# Altium PCB PCB_CAR.PcbDoc (part 1 of 3) (continued)
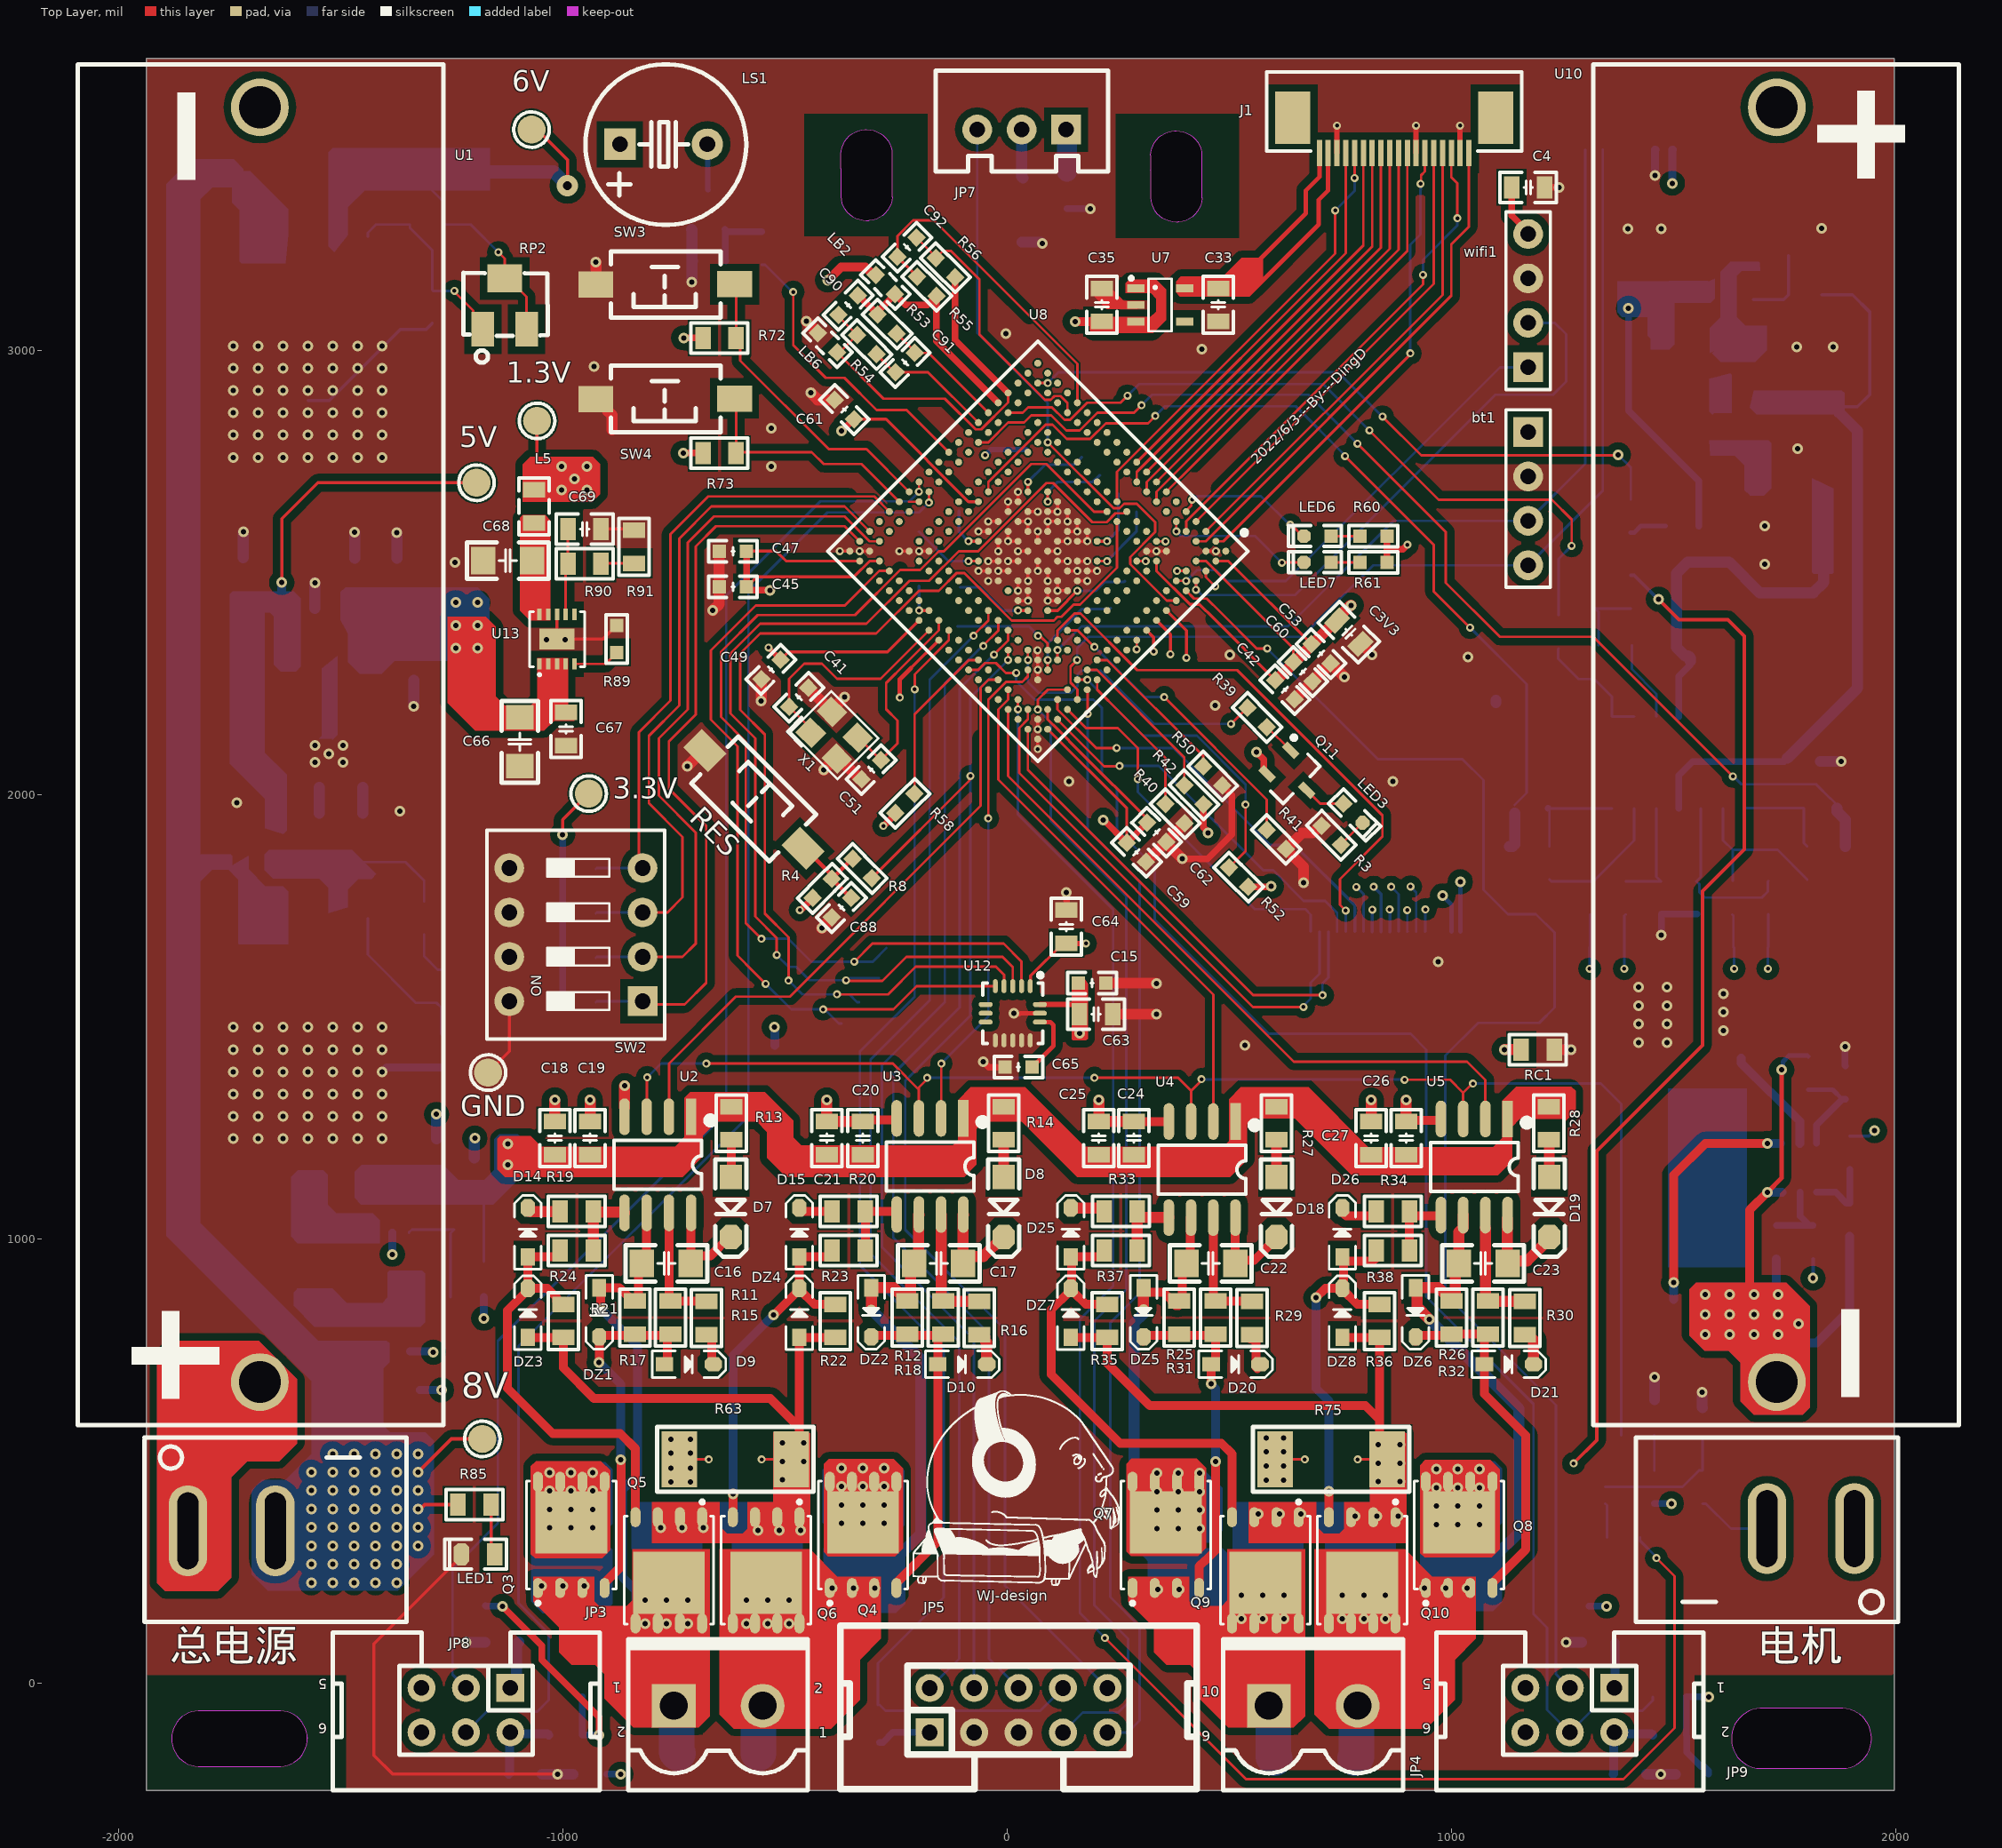
[diagram p0: Top Layer view]
## Footprints (in the part's own frame and the unit in brackets; to place one, negate y for a bottom-side part, rotate by r counter-clockwise, add the part's x,y. Pads: shape width x height; smd on the part's side, far side on the other; paste and mask are expansions set on the pad) (continued)
  silkscreen extent -9.22,-8.5 8.5,8.5, body extent -8.52,-8.52 8.48,8.48, height 1.71
"C 0603_L" [mil] "无极性贴片电容"
  rect 30x30 smd: 1(-30.59,0) 2(30.59,0)
  silkscreen extent -55,-24 55,24, body extent -31,-16 31,16, height 32
"C 0805_L" [mil] "无极性贴片电容"
  rect 35x50 smd: 1(-37.4,0) 2(37.4,0)
  silkscreen extent -64,-34 64,34, body extent -39,-24 39,24, height 20
"C 1206_L" [mil] "无极性贴片电容"
  rect 55x62 smd: 1(-55.12,0) 2(55.12,0)
  silkscreen extent -92,-41 92,41, body extent -63,-32 63,32, height 48
"C 1210_L" [mil] "无极性贴片电容"
  rect 60x100 smd: 1(-57.09,0) 2(57.09,0)
  silkscreen extent -97,-60 97,60, body extent -63,-51 63,51, height 60
"CSW DIP-4P" [mm] "11.7*9.9*7mm"
  rect 1.7x1.7 hole 0.9: 1(-3.81,-3.81)
  round 1.7 hole 0.9: 2(-1.27,-3.81) 3(1.27,-3.81) 4(3.81,-3.81) 5(3.81,3.81) 6(1.27,3.81) 7(-1.27,3.81) 8(-3.81,3.81)
  silkscreen extent -5.97,-5.08 5.97,5.08, body extent -5.86,-4.95 5.86,4.95, height 6.65
DD-PAK-5-leda [mm]
  rect 3x1.1 smd: 1(7.381,-3.234) 2(7.381,-1.534) 3(7.381,0.166) 4(7.381,1.866) 5(7.381,3.566)
  rect 8.255x10.668 smd: 6(-1.968,0.166)
  silkscreen extent -4.52,-5.33 7.66,5.67
"FB 0603_L" [mil] "小功率贴片磁珠"
  rect 30x30 smd: 1(-30.59,0) 2(30.59,0)
  silkscreen extent -55,-24 55,24, body extent -31,-16 32,16, height 31
"FB 0805_L" [mil] "小功率贴片磁珠"
  rect 35x50 smd: 1(-37.4,0) 2(37.4,0)
  silkscreen extent -64,-34 64,34, body extent -39,-24 39,24, height 35
FPC-05mm-18 [mm]
  rect 2x3 smd: 0(-5.606,-0.579) 0(5.992,-0.579)
  rect 0.305x1.5 smd: 1(4.468,-2.579) 2(3.965,-2.579) 3(3.462,-2.579) 4(2.959,-2.579) 5(2.456,-2.579) 6(1.953,-2.579) 7(1.45,-2.579) 8(0.947,-2.579) 9(0.444,-2.579) 10(-0.059,-2.579) 11(-0.561,-2.579) 12(-1.064,-2.579) 13(-1.567,-2.579) 14(-2.07,-2.579) 15(-2.573,-2.579) 16(-3.076,-2.579) 17(-3.579,-2.579) 18(-4.082,-2.579)
  silkscreen extent -7.11,-2.48 7.49,2.04, body extent -7.02,-2.68 7.41,2.43, height 2.01
HDR2.54-LI-4P [mm] "排针，4脚"
  rect 1.7x1.7 hole 0.9: 1(-3.81,0)
  round 1.7 hole 0.9: 2(-1.27,0) 3(1.27,0) 4(3.81,0)
  silkscreen extent -5.08,-1.27 5.08,1.27, body extent -5.08,-1.27 5.08,1.27, height 8.5
IDC2.54-LI-2x3P [mm] "6P简易牛角座"
  rect 1.6x1.6 hole 0.9: 1(0,0)
  round 1.6 hole 0.9: 2(0,2.54) 3(2.54,0) 4(2.54,2.54) 5(5.08,0) 6(5.08,2.54)
  silkscreen extent -5.11,-3.18 10.16,5.84, body extent -5.08,-3.08 10.16,5.77, height 9.17
IDC2.54-LI-2x5P [mm] "10P简易牛角座"
  rect 1.6x1.6 hole 0.9: 1(0,0)
  round 1.6 hole 0.9: 2(0,2.54) 3(2.54,0) 4(2.54,2.54) 5(5.08,0) 6(5.08,2.54) 7(7.62,0) 8(7.62,2.54) 9(10.16,0) 10(10.16,2.54)
  silkscreen extent -5.11,-3.23 15.27,6.1, body extent -5.08,-3.08 15.24,5.77, height 9.17
KEY-TH_CN-KCD11 [mm]
  oval 2.2x5.2 hole 1.2 slot 4.4 at 90 deg: 1(-3.476,0) 2(1.524,0)
  silkscreen extent -5.97,-5.21 9.02,5.33
KF2EDGK5.08-LI-2P [mm] "立插端子"
  rect 2.5x2.5 hole 1.6: 1(-2.54,0)
  round 2.5 hole 1.6: 2(2.54,0)
  silkscreen extent -5.16,-4.83 5.13,3.81, body extent -5.08,-4.75 5.08,3.75, height 11.25
"L 0805_L" [mil] "小功率贴片电感"
  rect 35x50 smd: 1(-37.4,0) 2(37.4,0)
  silkscreen extent -64,-34 64,34, body extent -39,-24 39,24, height 35
L-SMD-0420 [mm] "一体化成型电感"
  rect 1.5x2.5 smd: 1(-1.75,0) 2(1.75,0)
  silkscreen extent -2.16,-2.16 2.16,2.16, body extent -2.25,-2.05 2.25,2.05, height 2.05
"LED 0603Y" [mil] "黄色0603LED"
  rect 30x30 smd: 1(-30.59,0)
  oct 30x30 smd: 2(30.59,0)
  silkscreen extent -54,-24 65,24, body extent -31,-16 31,16, height 24
"LED 0805B" [mil] "蓝色0805LED"
  rect 35x50 smd: 1(-37.4,-0.01)
  oct 35x50 smd: 2(37.4,-0.01)
  silkscreen extent -64,-33 75,33, body extent -39,-25 39,25, height 32
LGA-16_L3.0-W3.0-P0.50-BL [mm]
  oval 0.28x0.8 smd: 1(-0.986,-1.739) 2(-0.486,-1.739) 3(0.014,-1.739) 4(0.514,-1.739) 5(1.014,-1.739) 9(1.014,1.36) 10(0.514,1.36) 11(0.014,1.36) 12(-0.486,1.36) 13(-0.986,1.36)
  oval 0.8x0.28 smd: 6(1.564,-0.689) 7(1.564,-0.189) 8(1.564,0.311) 14(-1.536,0.311) 15(-1.536,-0.189) 16(-1.536,-0.689)
  silkscreen extent -1.71,-2.49 1.74,1.54
LT3045EDD#PBF [mm]
  rect 0.65x0.25 smd: 1(1.422,-0.941) 2(1.422,-0.441) 3(1.422,0.059) 4(1.422,0.559) 5(1.422,1.059) 6(-1.401,1.059) 7(-1.401,0.559) 8(-1.401,0.059) 9(-1.401,-0.441) 10(-1.401,-0.941)
  rect 1.2x2 smd: 11(0.011,0.059)
  silkscreen extent -1.57,-1.52 2.11,1.64
"OSC 3225-4P" [mm] "3.2*2.5*0.7mm(长宽高)"
  rect 1.3x1.2 smd: 1(-1.05,-0.85) 2(1.05,-0.85) 3(1.05,0.85) 4(-1.05,0.85)
  silkscreen extent -2.03,-1.75 1.9,1.65, body extent -1.6,-1.25 1.6,1.25, height 0.7
PQFN-8P_L5.8-W4.9-P1.27-LS6.0-BL [mm]
  oval 0.567x1.141 smd: 1(-1.897,-3.761) 2(-0.627,-3.761) 3(0.643,-3.761) 4(1.913,-3.761) 5(1.913,2.315) 6(0.643,2.315) 7(-0.627,2.315) 8(-1.897,2.315)
  rect 4.11x3.55 smd: 9(0.008,-0.008)
  silkscreen extent -2.56,-4.73 2.57,2.37
"R 0603_L" [mil] "1/10W贴片电阻"
  rect 30x30 smd: 1(-30.59,0) 2(30.59,0)
  silkscreen extent -55,-24 55,24, body extent -31,-16 32,16, height 16
"R 0805_L" [mil] "1/8W贴片电阻"
  rect 35x50 smd: 1(-37.4,0) 2(37.4,0)
  silkscreen extent -64,-34 64,34, body extent -39,-25 39,25, height 20
"R 2512_M" [mm] "1W贴片电阻"
  rect 2.032x3.2 smd: 1(-3.2,0) 2(3.2,0)
  silkscreen extent -4.47,-1.85 4.47,1.85, body extent -3.2,-1.6 3.2,1.6, height 0.55
RES-ADJ-SMD_3224W [mm]
  rect 1.3x2 smd: 1(-1.267,-1.336) 3(1.233,-1.336)
  rect 2x1.6 smd: 2(-0.017,1.564)
  silkscreen extent -2.38,-3.25 2.45,1.88
SH-SMD_6P-P1.00 [mm]
  rect 0.5x1.7 smd: 1(-2.341,1.983) 2(-1.341,1.983) 3(-0.341,1.983) 4(0.659,1.983) 5(1.659,1.983) 6(2.659,1.983)
  rect 1.2x2.5 smd: 7(3.759,-1.417) 8(-3.441,-1.417)
  silkscreen extent -4.06,-2.51 4.38,2.57
SMA [mm] "4.5x2.6*2.2mm（长宽高，不包括引脚）"
  rect 2.2x1.75 smd: 1(-2.3,0) 2(2.3,0)
  silkscreen extent -2.7,-1.52 3.56,1.52, body extent -2.52,-1.3 2.57,1.3, height 2.15
SOD-123 [mil] "2.7x1.6X1.1mm（长宽高，不包括引脚）"
  rect 55x50 smd: 1(-67.5,0)
  oct 55x50 smd: 2(67.5,0)
  silkscreen extent -108,-35 112,35, body extent -73,-31 73,31, height 48
SOD-123F [mm] "2.7x1.6X1.1mm（长宽高，不包括引脚）"
  rect 1.3x1 smd: 1(-1.85,0)
  oct 1.3x1 smd: 2(1.85,0)
  silkscreen extent -2.79,-0.89 2.84,0.89, body extent -1.9,-0.8 1.9,0.8, height 1.15
SOD-323 [mm] "1.8x1.3X0.9mm（长宽高，不包括引脚）"
  rect 1x0.8 smd: 1(-1.4,0)
  oct 1x0.8 smd: 2(1.4,0)
  silkscreen extent -2.11,-0.76 2.11,0.76, body extent -1.34,-0.63 1.31,0.67, height 1
SOP8_M [mm] "5*6*1.8mm（长宽高）"
  rect 2.1x0.6 smd: 1(-2.75,1.905)
  oval 2.1x0.6 smd: 2(-2.75,0.635) 3(-2.75,-0.635) 4(-2.75,-1.905) 5(2.75,-1.905) 6(2.75,-0.635) 7(2.75,0.635) 8(2.75,1.905)
  silkscreen extent -2.69,-2.5 1.4,3.15, body extent -3,-2.5 3,2.5, height 1.9
SOP14_N [mm] "8.7*6.2*1.8mm（长宽高）"
  rect 1.8x0.55 smd: 1(-2.625,3.81)
  oval 1.8x0.55 smd: 2(-2.625,2.54) 3(-2.625,1.27) 4(-2.625,0) 5(-2.625,-1.27) 6(-2.625,-2.54) 7(-2.625,-3.81) 8(2.625,-3.81) 9(2.625,-2.54) 10(2.625,-1.27) 11(2.625,0) 12(2.625,1.27) 13(2.625,2.54) 14(2.625,3.81)
  silkscreen extent -2.67,-4.06 1.31,5.21, body extent -3,-4.35 3,4.35, height 1.9
SOT23-3L [mm] "3x1.3x1mm(长宽高)"
  rect 0.45x1 smd: 1(-0.95,-1.143) 2(0.95,-1.143) 3(0,1.125)
  silkscreen extent -1.72,-1.65 1.5,0.7, body extent -1.5,-1.2 1.5,1.2, height 1.05
SOT23-5L [mm] "3x1.6x1.1mm(长宽高)"
  rect 0.45x1 smd: 1(-0.95,-1.4) 2(0,-1.4) 3(0.95,-1.4) 4(0.95,1.4) 5(-0.95,1.4)
  silkscreen extent -1.6,-1.73 1.5,0.66, body extent -1.5,-1.4 1.5,1.4, height 1.15
SOT23-6L [mm] "3x1.6x1.1mm(长宽高)"
  rect 0.45x1 smd: 1(-0.95,-1.397) 2(0,-1.397) 3(0.95,-1.397) 4(0.95,1.397) 5(0,1.397) 6(-0.95,1.397)
  silkscreen extent -1.77,-1.78 1.55,0.51, body extent -1.5,-1.4 1.5,1.4, height 1.15
SOT23-6N [mm] "3x1.6x1.1mm(长宽高)"
  rect 0.5x1.2 smd: 1(-0.95,-1.4) 2(0,-1.4) 3(0.95,-1.4) 4(0.95,1.4) 5(0,1.4) 6(-0.95,1.4)
  silkscreen extent -1.78,-1.78 1.55,0.51, body extent -1.5,-1.4 1.5,1.4, height 1.15
SOT223_L [mm] "SOT223, 4-Leads, Body 6.5x3.5mm, Pitch 2.3mm, Lead Span 7mm, IPC High Density"
  rect 2.1x0.9 smd: 1(-2.85,2.3) 2(-2.85,0) 3(-2.85,-2.3)
  rect 2.1x3.2 smd: 4(2.85,0)
  silkscreen extent -2.97,-3.35 1.5,3.42, body extent -1.85,-3.35 1.85,3.35, height 1.7
"TEST 0.8" [mm] "测试点0.8mm"
  round 0.8 smd: 1(0,0)
"TEST 1" [mm] "测试点1mm"
  round 1 smd paste-1: 1(0,0)
"TEST 1.6" [mm] "测试点1.6mm"
  round 1.6 smd paste-1.6: 1(0,0)
  silkscreen extent -1.01,-1.02 1.02,1.02
"TSW SMD-3*6*2.5" [mm] "3*6*2.5mm"
  rect 2x1.5 smd: 1(-3.996,-0.02) 2(3.937,0)
  silkscreen extent -3.21,-1.9 3.09,1.9, body extent -4,-1.88 4,1.62, height 2.59
XH2.54-LI-3P [mm] "接插件，3P"
  rect 1.7x1.7 hole 0.9: 1(-2.54,0)
  round 1.7 hole 0.9: 2(0,0) 3(2.54,0)
  silkscreen extent -4.95,-3.38 4.93,2.39, body extent -5.04,-3.3 5.04,2.4, height 7.03

## Part data
1.3V 3.3V 3.3V 5V 5V 6V 8V ADC CS GND GND GND MISO MOSI SCLK: "测试点", BOM名称=测试点, 学习资源=www.ooocke.com, 版权归属=源创客
bt1 wifi1: library part "Header 4", "4P接插件", BOM名称=4P接插件, 学习资源=www.ooocke.com, 版权归属=源创客
C1 C2 C3 C3V3 C4 C5 C6 C7 C8 C9 C10 C11 C12 C13 C14 C15 C16 C17 C18 C19 C20 C21 C22 C23 C24 C25 C26 C27 C28 C29 C30 C31 C32 C33 C34 C35 C36 C37 C38 C39 C40 C41 C42 C43 C44 C45 C46 C47 C48 C49 C50 C51 C52 C53 C54 C55 C56 C57 C58 C59 C60 C61 C62 C63 C64 C65 C66 C67 C68 C69 C70 C71 C72 C73 C74 C75 C76 C77 C78 C79 C85 C86 C88 C90 C91 C92 C131: library part C, "无极性贴片电容", BOM名称=无极性贴片电容, 学习资源=www.ooocke.com, 材质=X7R, 版权归属=源创客
D1 D2 D3 D5 D6 D8 D12 D13 D16 D17 D18 D19 D23 D24: "肖特基二极管", BOM名称=肖特基二极管, 学习资源=www.ooocke.com, 属性=40V/3A, 版权归属=源创客
D7 D11 D22: library part SS34, "肖特基二极管", BOM名称=肖特基二极管, 学习资源=www.ooocke.com, 属性=40V/3A, 版权归属=源创客
D9 D10 D14 D15 D20 D21 D25 D26: "高速开关二极管", BOM名称=高速开关二极管, 学习资源=www.ooocke.com, 版权归属=源创客
D27 D28: library part SS24, "肖特基二极管", BOM名称=肖特基二极管, 学习资源=www.ooocke.com, 属性=40V/2A, 版权归属=源创客
DZ1 DZ2 DZ3 DZ4 DZ5 DZ6 DZ7 DZ8: library part 1N4102, "18V稳压管", BOM名称=8.7V/0.5W稳压管, 学习资源=www.ooocke.com, 版权归属=源创客
IC1 IC3: "可调升压芯片", BOM名称=可调升压芯片, 学习资源=www.ooocke.com, 版权归属=源创客
IC2: "4路运放", BOM名称=4路运放, 学习资源=www.ooocke.com, 版权归属=源创客
JP3 JP4: library part "Header 2", "2P接插件", BOM名称=2P接插件, 学习资源=www.ooocke.com, 版权归属=源创客
JP5: "5*2P接插件", BOM名称=5*2P接插件, 学习资源=www.ooocke.com, 版权归属=源创客
JP7: library part "Header 3", "3P接插件", BOM名称=3P接插件, 学习资源=www.ooocke.com, 版权归属=源创客
JP8 JP9: library part "Header 3X2", "3*2P接插件", BOM名称=3*2P接插件, 学习资源=www.ooocke.com, 版权归属=源创客
L1 L2: library part L-CDRH, "功率屏蔽电感", BOM名称=功率屏蔽电感, 学习资源=www.ooocke.com, 版权归属=源创客
L3 L5 L6 L7 L8: library part L, "小功率贴片电感", BOM名称=小功率贴片电感, 学习资源=www.ooocke.com, 版权归属=源创客
LB2 LB3 LB4 LB5 LB6: library part LB, "磁珠", BOM名称=磁珠, 学习资源=www.ooocke.com, 版权归属=源创客
LED1 LED3 LED6 LED7: library part LED-SMD, "贴片LED", BOM名称=贴片LED, 学习资源=www.ooocke.com, 版权归属=源创客
LS1: library part BEEP, "蜂鸣器", BOM名称=蜂鸣器, 学习资源=www.ooocke.com, 版权归属=源创客
R1 R2 R3 R4 R5 R6 R7 R8 R9 R10 R11 R12 R13 R14 R15 R16 R17 R18 R19 R20 R21 R22 R23 R24 R25 R26 R27 R28 R29 R30 R31 R32 R33 R34 R35 R36 R37 R38 R39 R40 R41 R42 R43 R44 R45 R46 R47 R48 R49 R50 R51 R52 R53 R54 R55 R56 R57 R58 R59 R60 R61 R62 R63 R64 R65 R66 R67 R68 R69 R70 R71 R72 R73 R74 R75 R76 R77 R78 R79 R80 R81 R82 R83 R84 R85 R86 R87 R88 R89 R90 R91 RC1 RC2 RSH1 RSH2 RSH5 RSH6 RSL1: library part R, "贴片电阻", BOM名称=贴片电阻, 学习资源=www.ooocke.com, 版权归属=源创客
RES SW3 SW4: library part "TSW 3x6", "3x6轻触开关", BOM名称=3x6轻触开关, 学习资源=www.ooocke.com, 版权归属=源创客
RP2: library part 3224W-1-503E
SW2: "4路编码开关", BOM名称=4路编码开关, 学习资源=www.ooocke.com, 版权归属=源创客
U2 U3 U4 U5: library part EG2104
U7: library part LP5907MFX-1.8/NOPB
U8: "32-Bit Single-Chip Microcontroller", Manufacturer="Infineon Technologies", Manufacturer Order Number="SAL-TC377TP-96F300S AA", PackageReference=PG-LFBGA-292-11
U13: BOM_JLCPCB Part Class="Extended Part", BOM_Manufacturer="Analog Devices", BOM_Manufacturer Part=LT3045EDD#PBF, BOM_Supplier=LCSC, BOM_Supplier Part=C666574, Contributor=LCSC, spicePre=U, spiceSymbolName=LT3045EDD#PBF_C666574
V1: library part LM2940, "5V稳压芯片", BOM名称=5V稳压芯片, 学习资源=www.ooocke.com, 版权归属=源创客
X1: library part XTAL-4P, "4脚无源晶振", BOM名称=4脚无源晶振, 学习资源=www.ooocke.com, 版权归属=源创客, 负载电容=CL20pF
总电源 电机: library part "TSW DIP-2Pin-6x6", "2脚直插6x6轻触开关", BOM名称=2脚轻触开关, 学习资源=www.ooocke.com, 版权归属=源创客

## Via types
v1: diameter 24, hole 12, Top Layer to Bottom Layer, 415 vias
v2: diameter 18, hole 9, Top Layer to Bottom Layer, 163 vias
v3: diameter 48, hole 20, Top Layer to Bottom Layer, 1 vias

## Nets (pads, with @x,y where several pads share a name; then routed paths per layer and width w, separated by ;. In a path a pad name is that pad's centre, name@x,y a point inside that pad or via, vN(x,y) a via of type N, cw(c..) or ccw(c..) an arc to the next point about the centre after c; other vN are vias at no path point)
1.3V: 1.3V.1 C43.2 C44.2 C46.2 C48.2 C50.2 C52.2 C54.2 C55.2 C56.2 C57.2 C58.2 C131.2 L5.2 U8.D16 U8.E15 U8.G8 U8.G13 U8.H7 U8.H14 U8.N7 U8.N14 U8.N19 U8.P8 U8.P13 | length 2027.7
  Top Layer w6.5: 1.3V.1@-1059,2842 -1059,2744.51 -1053.47,2738.97 ; v2(-198.97,2415.07) U8.N19@-176.7,2415.07 ; v2(-87.61,2526.43) U8.N14@-65.34,2526.43 ; v2(-87.62,2570.97) U8.P13@-65.34,2570.97 ; v2(23.74,2415.07) U8.H14@46.01,2415.07 ; U8.P8@46.01,2682.32 v2(46.01,2704.59) ; v2(68.89,2358.3) 70.99,2356.2 75.04,2356.2 90.55,2340.69 U8.E15@90.55,2325.99 ; U8.D16@90.55,2281.44 v2(90.55,2303.72) ; U8.G13@90.55,2415.07 112.82,2415.07 v2(157.37,2459.61) ; v2(90.55,2660.05) U8.N7@90.55,2682.32 ; U8.G8@201.91,2526.43 v2(224.18,2526.43) ; U8.H7@201.91,2570.97 v2(224.18,2570.97)
  Bottom Layer w6.5: v2(-198.97,2415.07) C54.2@-198.97,2470.38 ; C57.2@-198.99,2592.5 -132.92,2526.43 v2(-87.61,2526.43) ; C50.2@-112.16,2379.62 47.57,2379.62 v2(68.89,2358.3) ; C56.2@-109.25,2639.24 -109.25,2592.6 v2(-87.62,2570.97) ; C43.2@-106.54,2467.19 -61.79,2467.19 -9.66,2415.07 v2(23.74,2415.07) ; v2(46.01,2704.59) 84.85,2743.43 150.35,2743.43 C58.2@167.21,2760.3 ; v2(90.55,2303.72) 90.55,2340.64 168.42,2418.51 229.93,2418.51 C48.2@231.86,2420.44 ; v2(90.55,2660.05) 90.55,2682.32 112.82,2704.59 192,2704.59 206.65,2719.24 C52.2@208.27,2719.24 ; v2(157.37,2459.61) 198.75,2459.61 218.78,2479.64 262.8,2479.64 C46.2@263.86,2480.7 ; v2(224.18,2526.43) 290.37,2592.62 C44.2@290.37,2637.14 ; v2(224.18,2570.97) 249.32,2596.11 C55.2@249.32,2678.19
  Bottom Layer w12: v2(-50.5,2764.54) -50.09,2764.54 -37.04,2777.59 C131.2@42.23,2777.59
  other v1: -1003.45,2686.85 -947,2686.85 -974.73,2711 -1003.45,2739.07 -947,2739.07
3.3V: 3.3V.1 bt1.1 C3V3.2 C4.1 C15.1 C38.2 C39.2 C40.2 C42.1 C45.1 C47.1 C49.1 C53.2 C59.1 C60.2 C61.1 C62.1 C63.1 C64.2 C66.1 C67.1 C77.2 C86.2 CN1.6 J_UI.1 J_UI.2 JP5.1 LB3.2 LB5.2 LS1.1 Q11.2 R4.2 R42.2 R49.2 R52.2 R58.2 R60.2 R61.2 R66.1 R67.1 R68.1 R69.1 R72.1 R73.1 R81.2 R82.2 R83.2 R84.2 U6.5 U8.A2 U8.A19 U8.B3 U8.B18 U8.D5 U8.N20 U8.T11 U8.V19 U8.W20 U12.1 U12.16 U13.1 U13.2 U13.3 U13.4 V1.3 wifi1.4 电机.1 | length 6280.5
  Top Layer w6.5: C45.1@-587.53,2468 -564.53,2491 -345.75,2491 -310.33,2526.43 U8.V19@-288.05,2526.43 ; C47.1@-587.53,2548.7 -520.77,2548.7 -498.5,2526.43 U8.W20@-332.6,2526.43 ; C49.1@-510.85,2304.09 -493.16,2321.78 -269.99,2321.78 U8.N20@-198.97,2392.8 ; C61.1@-345.44,2845.83 -273.39,2845.83 -87.61,2660.05 U8.T11@-65.34,2660.05 ; U12.1@51.38,1569.34 52.15,1570.11 52.15,1592.66 125.49,1666 C64.2@132.99,1666 ; U8.A19@90.55,2147.82 268.75,1969.62 C59.1@268.75,1892.25 ; U8.B18@90.55,2192.36 90.55,2170.09 112.82,2147.82 164.44,2096.2 314.14,1946.51 C62.1@314.14,1937.33 ; U8.D5@335.54,2526.43 335.54,2504.15 410.66,2429.03 432.18,2429.03 464.72,2396.48 C42.1@602.92,2258.28 ; U8.B3@424.62,2526.43 446.89,2526.43 643.65,2329.66 C60.2@643.65,2299.01 ; U8.A2@469.16,2526.43 497.45,2526.43 C53.2@684.26,2339.62
  Top Layer w7: v1(-1001.31,1910.79) -1001.31,1944.21 3.3V.1@-942.71,2002.82
  Top Layer w12: v2(-537.65,2331.73) -537.65,2331.31 -510.85,2304.51 C49.1@-510.85,2304.09 ; U12.16@73.03,1528 147.49,1528 161.99,1513.5 C63.1@161.99,1506 ; C64.2@132.99,1666 133.3,1665.69 176.28,1665.69 v2(176.6,1665.37)
  Top Layer w15: v1(-1137.19,173.38) -1048.63,84.82 -1048.63,52.43 -919.3,-76.9 v1(-919.3,-116.82) ; 3.3V.1@-942.71,2002.82 3.3V.1@-942.24,2003.28 ; v1(-729.74,2769.87) -686.2,2769.87 R73.1@-685.58,2769.25 ; v1(-729.12,3028.92) R72.1@-685.58,3028.92 ; C47.1@-587.53,2548.7 C45.1@-587.53,2468 -580.41,2460.89 v1@-535.45,2460.89 ; v2(-467.46,1740.59) -466.88,1741.16 -465.07,1741.16 R4.2@-438.44,1767.79 ; v1(-373.44,2819.16) -372.77,2819.16 -346.1,2845.83 C61.1@-345.44,2845.83 ; v2(-279.13,1930.26) -252.36,1957.03 R58.2@-252.36,1959.08 ; v1(215.67,1943.34) 216.66,1943.34 267.76,1892.25 C59.1@268.75,1892.25 268.9,1892.25 313.98,1937.33 C62.1@314.14,1937.33 ; R42.2@441.47,1978.55 441.47,1927.2 451.7,1916.96 v1(451.7,1914.53) ; R52.2@542.08,1793.09 592.51,1793.09 v1(593.66,1794.24) ; v1(560.16,2096.08) 576.84,2079.4 576.84,2056.71 584.5,2049.06 Q11.2@584.5,2047.14 ; R61.2@854.48,2523.37 854.48,2552.84 ; R60.2@854.48,2582.3 854.48,2552.84 ; v2(900.29,2563.32) 889.81,2552.84 854.48,2552.84 ; C4.1@1134.84,3367.96 1134.84,3304.58 1172.24,3267.17 wifi1.4@1172.24,3262.84
  Top Layer w25: C42.1@602.92,2258.28 605.26,2258.28 739.66,2392.68 C3V3.2@742.01,2392.68 742.01,2396.01 v1@773,2427
  Bottom Layer w10: v1(979.7,1772.9) 999.5,1753.1 J_UI.2@999.5,1691.93 ; J_UI.1@1019.3,1691.93 v1(1019.3,1804.2) v1@1021.5,1806.4
  Bottom Layer w15: R81.2@-1175.4,174.18 R81.2@-1174.6,173.38 v1(-1137.19,173.38) v1@-1137,173.19 ; v1(-1001.31,1910.79) -1001.26,1910.73 R69.1@-1001.21,1833.26 R69.1@-1001.21,1833.26 R66.1@-1001.21,1533.26 ; R82.2@-957.43,-31 R82.2@-957.6,-30.82 LB3.2@-957.6,-116.82 v1(-919.3,-116.82) ; C77.2@-902.66,-205.13 v1(-870.85,-205.13) ; R49.2@-288,-133.62 -280.5,-133.62 -257.88,-111 JP5.1@-175,-111 ; R83.2@1309.56,173.38 v1(1348.93,173.38) v1@1349.6,174.05 ; U6.5@1456.21,404.29 v1(1494.45,404.29) ; C86.2@1578.49,-204.49 1578.49,-197.63 1568.49,-187.63 1561.62,-187.63 1529.53,-155.54 1529.53,-118.41 LB5.2@1527.95,-116.82 R84.2@1527.95,-30.82 v1(1578.49,-30.82)
  Bottom Layer w18: v1(1496.56,3377.07) 1497.12,3377.63 1497.12,3452.41 CN1.6@1497.68,3452.97
  Bottom Layer w20: v1(-524.41,1477) -524.07,1476.67 -524.07,1436.1 3.3V.1@-523.74,1435.77
  other v1: 162.75,1463.23 -1242,2330.72 -1192.37,2330.72 -1242,2381.88 -1192.37,2381.88 773.38,2426.62 -1242,2433.04 -1192.37,2433.04 -534.64,2460.08